# Altium PCB Steam_dev_kit_revised.PcbDoc (part 3 of 3) (continued)
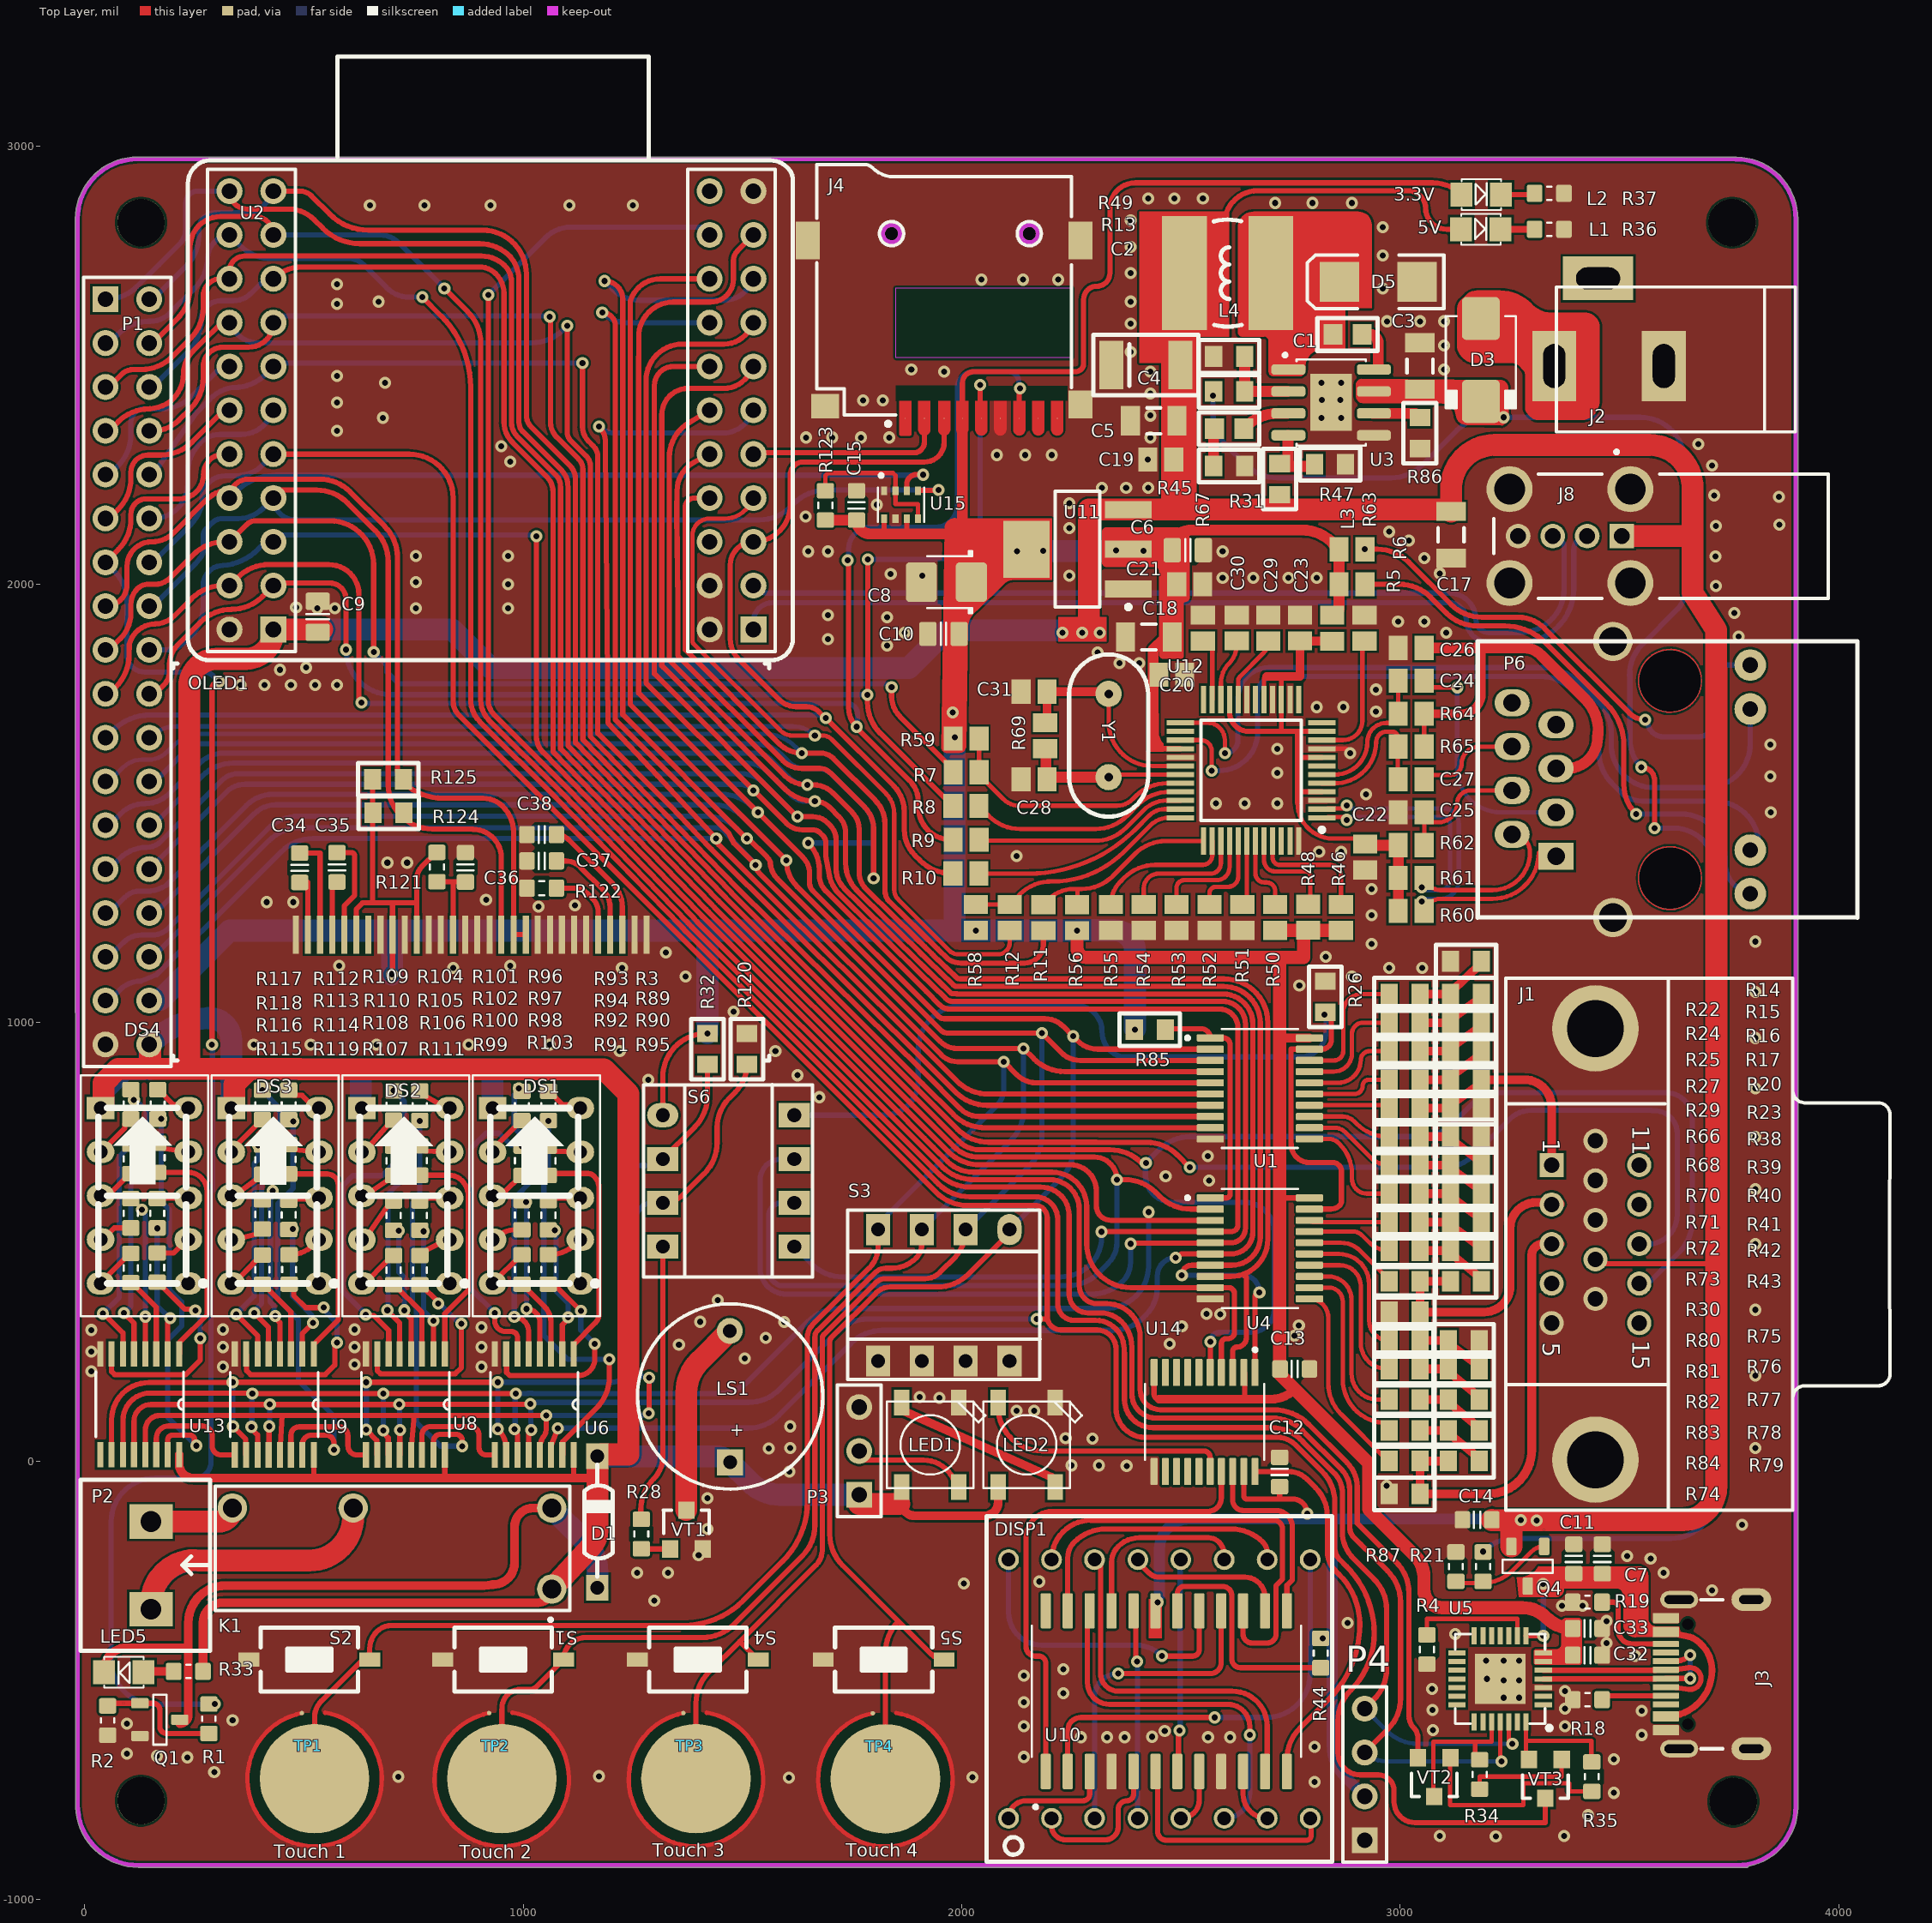
[diagram p0: Top Layer view]
## Nets (pads, with @x,y where several pads share a name; then routed paths per layer and width w, separated by ;. In a path a pad name is that pad's centre, name@x,y a point inside that pad or via, vN(x,y) a via of type N, cw(c..) or ccw(c..) an arc to the next point about the centre after c; other vN are vias at no path point) (continued)
  Bottom Layer w12: v1(935,338) 879,394 879,711.65 915.35,748 944.65,748 971.21,721.44 994.02,721.44 v1(997,718.46)
NetR95_2: R95.2 U6.7 | length 488.8
  Top Layer w12: U6.7@961,244 962,243 962,202.03 969.03,195 1125,195 ccw(c1125,233.04) 1140.07,198.11 ccw(c1125,233.04) 1163.04,233.04 v1(1163.04,267.04) ; R95.2@1057,403.54 cw(c1057,371.61) 1059.03,403.47 cw(c1057,371.61) 1079.58,394.18 v1(1131.18,342.58)
  Bottom Layer w12: v1(1131.18,342.58) 1131.18,298.91 v1(1163.04,267.04)
NetR96_2: R96.2 U8.15 | length 953.3
  Top Layer w12: v1(764,776.09) R96.2@764,777.07 ; U8.15@795,14 795,45 cw(c811,45) 811,61 846,61 cw(c846,46) 861,46 v1(861,34)
  Bottom Layer w12: v1(764,776.09) 764,605.28 747,588.28 747,360.97 756,351.97 756,89 811,34 v1(861,34)
NetR97_2: R97.2 U8.1 | length 521.1
  Top Layer w12: R97.2@764,652.07 830.76,652.07 830.83,652.07 cw(c830.81,611.31) 859.61,640.15 cw(c823.74,604.24) 874.5,604.24 ; U8.1@821,244 821,336.35 874.5,389.84 874.5,604.19
NetR98_2: R98.2 U8.2 | length 299.2
  Top Layer w12: U8.2@795,244 v1(795,319.94)
  Bottom Layer w12: v1@764,526.54 770.46,526.54 v1(773,524) 773,341.94 v1(795,319.94)
NetR99_2: R99.2 U8.3 | length 186.1
  Top Layer w12: R99.2@704,402 705.97,402 769,338.97 U8.3@769,244
NetR100_2: R100.2 U8.4 | length 293
  Top Layer w12: v1(728.96,343.96) 728.96,339.75 744,324.71 U8.4@744,244
  Bottom Layer w12: v1(716.28,525.55) 716.28,431.17 728.96,418.48 v1(728.96,343.96)
NetR101_2: R101.2 U8.5 | length 639.4
  Top Layer w12: v1(690,344) 690,343 718,315 U8.5@718,244
  Bottom Layer w12: v1(690,344) 691.5,345.5 691.5,608.9 728.78,646.18 728.78,820.67 v1(704,845.45)
NetR102_2: R102.2 U8.6 | length 614.7
  Top Layer w12: v1(641,334) 643.47,331.53 659.47,331.53 693,298 U8.6@693,244
  Bottom Layer w12: v1(641,334) 589,386 589,629 611,651 677.87,651 704,677.13 v1(704,719.45)
NetR103_2: R103.2 U8.7 | length 472.1
  Top Layer w12: U8.7@667,244 667,206.03 674.03,199 845,199 859,213 v1(859,313) ; R103.2@764.3,401.92 766.27,401.92 806,362.19 v1(806,359)
  Bottom Layer w12: v1(806,359) 809.5,359 855.5,313 v1(859,313)
NetR104_2: R104.2 U9.15 | length 949.9
  Top Layer w12: U9.15@496,14 496,38 cw(c517,38) 517,59 550.39,59 cw(c550.39,41.39) 568,41.39 v1(568,26)
  Bottom Layer w12: v1(475,775) 475,622 440,587 440,370 487,323 487,184 568,103 v1(568,26)
NetR105_2: R105.2 U9.1 | length 536.2
  Top Layer w12: R105.2@465,655 552.34,655 cw(c552.34,629.34) 570.47,647.5 ; U9.1@522,244 522,266 578,322 578,629.34 ccw(c552.34,629.34) 570.49,647.49
NetR106_2: R106.2 U9.2 | length 314
  Top Layer w12: U9.2@496,244 496,291 v1(520,315)
  Bottom Layer w12: v1(474,529) 474,376 517.03,332.97 517.03,317.97 v1(520,315)
NetR107_2: R107.2 U9.3 | length 187.1
  Top Layer w12: R107.2@405,403.07 406.97,403.07 470,340.04 U9.3@470,244
NetR108_2: R108.2 U9.4 | length 383.8
  Top Layer w12: v1(434,331.06) 434,326.85 445,315.85 U9.4@445,244
  Bottom Layer w12: v1(428.08,616.61) 428.08,612.4 423,607.32 423,362.96 431.02,354.94 431.02,334.03 v1(434,331.06)
NetR109_2: R109.2 U9.5 | length 654.7
  Top Layer w12: v1(386,338) 419,305 U9.5@419,244
  Bottom Layer w12: v1(386,338) 386,342.21 403.3,359.51 403.3,658.3 443.86,698.86 443.86,806.07 v1@405,844.93
  other v1: 405,846
NetR110_2: R110.2 U9.6 | length 517
  Top Layer w12: v1(345,335) 394,286 U9.6@394,244
  Bottom Layer w12: v1(345,335) 386.3,376.3 386.3,678.3 395,687 v1(395,720)
NetR111_2: R111.2 U9.7 | length 508.3
  Top Layer w12: U9.7@368,244 369,243 369,206 378,197 548.5,197 570,218.5 570,265 v1(575,270) ; R111.2@466,403.54 476.36,393.17 476.36,377.64 504,350 v1(545,350)
  Bottom Layer w12: v1(545,350) 545,345 575,315 v1(575,270)
NetR112_2: R112.2 U13.15 | length 927.9
  Top Layer w12: U13.15@189,14.3 189,48 cw(c200,48) 200,59 240,59 cw(c240,49) 250,49 250,39 ccw(c254,39) v1(254,35)
  Bottom Layer w12: v1(174,780.3) 174,592.87 192.56,574.31 192.56,391.09 221,362.65 221,308.3 189,276.3 189,100 v1(254,35)
NetR113_2: R113.2 U13.1 | length 534.6
  Top Layer w12: R113.2@166,658.37 236.51,658.37 cw(c236.51,617.04) 265.73,646.27 cw(c234.92,615.46) 278.5,615.46 278.5,332.8 216,270.3 216,245.3 U13.1@215,244.3
NetR114_2: R114.2 U13.2 | length 302.6
  Top Layer w12: U13.2@189,244.3 189,316.09 195,322.09 v1(195,326.3)
  Bottom Layer w12: v1(165,530.85) 165,354.3 193,326.3 v1(195,326.3)
NetR115_2: R115.2 U13.3 | length 187.7
  Top Layer w12: R115.2@105,406.83 106.97,406.83 163,350.8 U13.3@163,244.3
NetR116_2: R116.2 U13.4 | length 332.7
  Top Layer w12: U13.4@138,244.3 v1(138,329.3)
  Bottom Layer w12: v1(129.78,573.64) 129.78,569.43 138,561.21 v1(138,329.3)
NetR117_2: R117.2 U13.5 | length 623.5
  Top Layer w12: v1(89,337.3) 112,314.3 U13.5@112,244.3
  Bottom Layer w12: v1(89,337.3) 105,353.3 105,670.65 140,705.65 140,798.57 114.57,824 v1(112,824)
NetR118_2: R118.2 U13.6 | length 526.2
  Top Layer w12: v1(41,336.3) 43,336.3 87,292.3 U13.6@87,244.3
  Bottom Layer w12: v1(41,336.3) 78.5,373.8 78.5,694.71 105,721.21 v1(105,723.75)
NetR119_2: R119.2 U13.7 | length 468.4
  Top Layer w12: U13.7@61,222.3 61,204.03 68.03,197 230,197 263,230 263,242.52 v1(263,280.3) ; R119.2@165,407.83 166.97,407.83 228.53,346.28 249.02,346.28 v1(252,343.3)
  Bottom Layer w12: v1(252,343.3) 252,339.09 263,328.09 263,318.08 v1(263,280.3)
NetR123_1: R123.1 U15.2 U15.5 | length 348.7
  Top Layer w10: R123.1@1689,2213.46 1689,2248.14 1694.86,2254 1842.96,2254 1848.82,2248.14 U15.2@1848.82,2212.99 1848.82,2183 1900,2183 U15.5@1900,2150
PMODE0: R46.1 U12.45 | length 283.1
  Top Layer w10: U12.45@2709.21,1414.36 2709.21,1375.79 ccw(c2725,1375.79) 2725,1360 2840,1360 cw(c2840,1335) 2865,1335 R46.1@2865,1269.53
PMODE1: R48.1 U12.44 | length 237.5
  Top Layer w10: U12.44@2689.53,1414.36 2689.53,1370.47 ccw(c2715,1370.47) 2715,1345 2785,1345 cw(c2785,1335) 2795,1335 2795,1275 cw(c2790,1275) R48.1@2790,1270
PMODE2: R50.1 U12.43 | length 172.8
  Top Layer w10: U12.43@2669.84,1414.36 2670,1414.36 2670,1340 ccw(c2690,1340) 2690,1320 2695,1320 cw(c2695,1300) 2715,1300 R50.1@2715,1269.53
R1: DISP1.9 U10.2 | length 980.5
  Top Layer w12: U10.2@2241.75,-708.27 2241.75,-615 cw(c2271.75,-615) 2271.75,-585 v1(2576.75,-585)
  Bottom Layer w12: v1(2576.75,-585) 2694.75,-585 ccw(c2694.75,-485) 2794.75,-485 DISP1.9@2794.75,-225
R2: DISP1.14 U10.11 | length 822.6
  Top Layer w12: DISP1.14@2302.75,-225 cw(c2302.75,-239) 2316.75,-239 2316.75,-485 ccw(c2356.75,-485) 2356.75,-525 2616.75,-525 cw(c2616.75,-605) 2696.75,-605 2696.75,-703.27 cw(c2691.75,-703.27) U10.11@2691.75,-708.27
R3: DISP1.8 U10.6 | length 547.9
  Top Layer w12: U10.6@2441.75,-708.27 cw(c2441.75,-713.27) 2446.75,-713.27 2446.75,-845 ccw(c2466.75,-845) 2466.75,-865 2786.75,-865 ccw(c2786.75,-855) 2796.75,-855 2796.75,-817 ccw(c2794.75,-817) DISP1.8@2794.75,-815
R4: DISP1.12 U10.7 | length 486.6
  Top Layer w12: U10.7@2491.75,-708.27 2494.25,-705.77 2494.25,-617.5 v1(2496.75,-615)
  Bottom Layer w12: v1(2496.75,-615) 2498.25,-613.5 2498.25,-226.5 DISP1.12@2499.75,-225
R5: DISP1.1 U10.3 | length 268.1
  Top Layer w12: DISP1.1@2106.75,-815 cw(c2146.75,-815) 2146.75,-775 2276.75,-775 ccw(c2276.75,-760) 2291.75,-760 U10.3@2291.75,-708.27
R6: DISP1.7 U10.10 | length 138.1
  Top Layer w12: U10.10@2641.75,-708.27 2641.75,-760 ccw(c2696.75,-760) DISP1.7@2696.75,-815
R7: DISP1.2 U10.5 | length 350.5
  Top Layer w12: DISP1.2@2204.75,-815 2204.75,-832.04 ccw(c2236.71,-832.04) 2236.71,-864 2327.75,-864 ccw(c2327.75,-835) 2356.75,-835 2356.75,-795 cw(c2376.75,-795) 2376.75,-775 ccw(c2376.75,-760) 2391.75,-760 U10.5@2391.75,-708.27
R8: DISP1.5 U10.8 | length 130.7
  Top Layer w12: DISP1.5@2499.75,-815 ccw(c2499.75,-773) 2541.75,-773 U10.8@2541.75,-708.27
RCT: C26.2 P6.5 R64.1 R65.2 | length 956.2
  Top Layer w10: R65.2@3054.53,1630 R64.1@3054.53,1705
  Top Layer w20: R64.1@3054.53,1705 3140,1705 ccw(c3140,1750) 3185,1750 3185,1855
  Top Layer w25: C26.2@3054.53,1855 3185,1855 3282.69,1855 cw(c3282.69,1801.13) 3320.75,1839.25 3422.53,1737.47 cw(c3352.25,1667.35) 3450,1650 cw(c3379.76,1650) P6.5@3379.76,1579.76
RD_N: C27.1 P6.6 | length 258.5
  Top Layer w10: C27.1@3053.4,1565.32 3115.32,1565.32 ccw(c3115.32,1590) 3140,1590 cw(c3179.76,1590) 3179.76,1629.76 P6.6@3275.08,1629.76
RD_P: C24.1 P6.3 | length 569.1
  Top Layer w10: C24.1@3054.53,1780 3069.53,1765 v1(3130,1765)
  Bottom Layer w10: v1(3130,1765) 3130,1579.76 ccw(c3230,1579.76) 3230,1479.76 P6.3@3375.08,1479.76
RELAY_IN_1: K1.4 P2.1 | length 406.2
  Top Layer w50: P2.1@151,-138 305.41,-138 ccw(c305.41,-107) K1.4@336.41,-107
  Bottom Layer w50: P2.1@151,-138 305.41,-138 ccw(c305.41,-107) K1.4@336.41,-107
RELAY_OUT_1: K1.3 P2.2 | length 1204.3
  Top Layer w50: P2.2@151,-338 151,-326 cw(c251,-326) 251,-226 ; 260,-227 512,-227 ccw(c512,-127) 612,-127 K1.3@612,-107
  Bottom Layer w50: P2.2@151,-338 151,-326.85 cw(c251,-326.85) 251,-226.85 512,-226.85 ccw(c512,-126.85) 612,-126.85 K1.3@612,-107
RESET: U2.20 VT2.2 | length 5110.1
  Top Layer w12: v1(920,2660) 920,1735.41 ccw(c967.25,1735.41) 933.83,1702.01 1099.9,1535.94 1388.95,1238.46 1395.45,1231.55 1396.48,1230.47 1872.48,754.48 1955.66,671.29 ccw(c2026.38,742) 2019.17,642.26 ccw(c2026.38,742) 2026.38,642 2200,642 cw(c2200,574) 2268,574 2268,399.8 ccw(c2308.8,399.8) 2296.18,361 ccw(c2308.8,399.8) 2308.8,359 2331.04,359 cw(c2331.04,283.04) 2407,283.04 2407,163.15 ccw(c2453.15,163.15) 2453.15,117 2710.56,117 cw(c2710.56,2.47) 2791.57,83.43 2879.37,-4.37 ; 2879.39,-4.39 cw(c2824.75,-59) 2902,-59 2902,-141.89 2990.71,-230.6 cw(c2920,-301.31) 3020,-301.31 3020,-581.03 ccw(c3060.97,-581.03) 3032,-610 cw(c3012.25,-629.75) 3040.18,-629.75 VT2.2@3040.18,-676.87
  Bottom Layer w12: v1(920,2660) 1050.96,2790.96 ; 1050.99,2790.99 cw(c1109,2732.92) 1109,2815 U2.20@1425,2815
RGB_LED: LED2.4-DIN U14.16 | length 593.9
  Top Layer w12: LED2.4-DIN@2083.04,133.46 2083.04,123 ccw(c2183.04,123) 2183.04,23 2552,23 cw(c2552,8.41) 2566.59,8.41 U14.16@2566.59,-23.98 ; LED2.4-DIN@2083.04,136.46 LED2.4-DIN@2084.54,134.96
RTS: R34.1 U5.24 VT2.3 | length 352.7
  Top Layer w10: VT2.3@3076,-764.29 3076,-640 3171,-640 ; R34.1@3181,-681.54 3171,-681.54 3171,-640 ; U5.24@3208.31,-595.43 3208.31,-640 3171,-640
RXD_N: C27.2 R65.1 U12.5 | length 334.1
  Top Layer w10: U12.5@2821.42,1546.25 2821.42,1545.94 2850.94,1545.94 ccw(c2850.94,1640) 2858.64,1546.25 ccw(c2850.94,1640) 2945,1640 cw(c2968.87,1640) 2968.87,1663.87 2981.04,1663.87 cw(c2981.04,1650.09) 2994.82,1650.09 2994.82,1635.32 2994.35,1635.32 C27.2@2994.35,1565.32
RXD_P: C24.2 R64.2 U12.6 | length 330.7
  Top Layer w10: U12.6@2821.42,1565.94 2850.94,1565.94 ccw(c2850.94,1640) 2925,1640 cw(c2968.87,1640) 2935,1667.88 cw(c2968.87,1640) 2968.87,1683.87 2981.04,1683.87 ccw(c2981.04,1697.17) 2994.35,1697.17 R64.2@2994.35,1705 ; R64.2@2995.47,1705 C24.2@2995.47,1780
SPI-MISO: R9.2 U12.34 | length 475.8
  Top Layer w10: R9.2@2053.31,1415 2303.58,1415 ccw(c2303.58,1515) 2346.85,1424.84 ccw(c2303.58,1515) 2374.29,1444.29 2415,1485 cw(c2467.83,1432.17) 2467.83,1506.88 U12.34@2498.58,1506.88
SPI-MOSI: R10.2 U12.35 | length 503.7
  Top Layer w10: R10.2@2039.06,1340.56 ccw(c2040.41,1341.92) 2040.41,1340 2152.17,1340 ; 2152.22,1340 ccw(c2152.22,1684.71) 2395.98,1440.98 2427.5,1472.5 cw(c2462.99,1437.01) 2462.99,1487.2 U12.35@2498.58,1487.2
SPI-SCLK: R8.2 U12.33 | length 503.4
  Top Layer w10: R8.2@2039.06,1494.44 2062.27,1471.23 ccw(c2132.98,1541.94) 2132.98,1441.94 2305.52,1441.94 ccw(c2305.52,1541.94) 2376.23,1471.23 2402.28,1497.28 cw(c2472.99,1426.57) 2472.99,1526.57 U12.33@2498.58,1526.57
SPK: R28.1 S6.4 | length 636.1
  Top Layer w12: R28.1@1269.12,-133 cw(c1269.12,-131.41) 1268,-132.54 1268,-111.42 cw(c1368,-111.42) 1297.29,-40.71 ccw(c1247.29,9.29) 1318,9.29 S6.4@1318,489
TCT: C25.1 P6.4 R62.2 | length 337.1
  Top Layer w10: C25.1@3054.06,1495 cw(c3054.06,1494.06) 3055,1494.06 C25.1@3055,1457.03 ; R62.2@3055,1420 C25.1@3055,1457.03 ; P6.4@3275.08,1529.76 3159.76,1529.76 ccw(c3159.76,1500) 3130,1500 cw(c3087.03,1500) 3087.03,1457.03 C25.1@3055,1457.03
TD_N: P6.2 R61.2 U12.1 | length 884.6
  Top Layer w10: U12.1@2835,1469 2871.72,1469 cw(c2871.72,1462.72) v1(2878,1462.72) ; v1(3049,1308.78) ccw(c3049,1314.31) 3054.53,1314.31 R61.2@3054.53,1330 ; R61.2@3059.42,1319.2 3065.32,1313.3 ccw(c3091.39,1339.36) 3091.39,1302.5 3210.5,1302.5 ccw(c3210.5,1388) 3296,1388 3296,1389.16 ccw(c3255.39,1389.16) P6.2@3255.39,1429.76
  Bottom Layer w10: v1(2878,1462.72) cw(c2884.28,1462.72) 2884.28,1469 3098.47,1469 cw(c3098.47,1453.73) 3113.74,1453.73 3113.74,1324.85 cw(c3091.39,1324.85) 3091.39,1302.5 3055.28,1302.5 cw(c3055.28,1308.78) v1(3049,1308.78)
TD_P: P6.1 R60.2 U12.2 | length 958
  Top Layer w10: U12.2@2835,1489 2871.72,1489 ccw(c2871.72,1495.28) v1(2878,1495.28) ; v1(3049,1276.22) cw(c3049,1270.69) 3054.53,1270.69 R60.2@3054.53,1255 ; R60.2@3059.42,1265.8 3065.32,1271.7 cw(c3091.39,1245.64) 3091.39,1282.5 3210.5,1282.5 ccw(c3210.5,1388) 3316,1388 ccw(c3324.24,1388) 3324.24,1379.76 P6.1@3355.39,1379.76
  Bottom Layer w10: v1(2878,1495.28) ccw(c2884.28,1495.28) 2884.28,1489 3098.47,1489 cw(c3098.47,1453.73) 3133.74,1453.73 3133.74,1324.85 cw(c3091.39,1324.85) 3091.39,1282.5 3055.28,1282.5 ccw(c3055.28,1276.22) v1(3049,1276.22)
VBUS: C7.2 C11.2 J3.A4/B9 J3.A9/B4 Q4.3 U5.8 | length 461.7
  Top Layer w12: U5.8@3287.05,-398.58 v1(3326.43,-398.57)
  Top Layer w15: J3.A4/B9@3606,-582.68 ccw(c3606,-477.35) 3711.33,-477.35 ccw(c3627.88,-477.35) 3667.63,-403.97 ; J3.A9/B4@3621.76,-389.76 3628.03,-394.07 3660.36,-400.84 3666.37,-403.37 cw(c3660.55,-417.2) 3667.61,-403.96
  Bottom Layer w12: v1(3326,-280) cw(c3324.97,-281.03) 3326.43,-281.03 v1(3326.43,-398.57)
VCC-1V2: C30.1 U12.22 | length 143.2
  Top Layer w10: U12.22@2591.1,1737.2 2591.1,1774.38 cw(c2655.62,1774.38) 2610,1820 ccw(c2568.71,1861.29) 2627.1,1861.29 C30.1@2627.1,1870.74
VGA_B0: R80.2 U4.15 | length 330
  Top Layer w10: U4.15@2793,472.36 2860.5,472.36 cw(c2860.5,403.86) 2929,403.86 2929,320.57 ccw(c2974.57,320.57) R80.2@2974.57,275
VGA_B1: R81.2 U4.14 | length 372.3
  Top Layer w10: U4.14@2793,446.77 2862.62,446.77 cw(c2862.62,399.39) 2910,399.39 2910,269.61 ccw(c2969.46,269.61) R81.2@2974.54,210.36
VGA_B2: R82.2 U4.13 | length 414.2
  Top Layer w10: U4.13@2793,421.18 2835.82,421.18 cw(c2835.82,368) 2889,368 2889,200 ccw(c2949,200) 2949,140 R82.2@2974.57,140
VGA_B3: R83.2 U4.12 | length 441.9
  Top Layer w10: U4.12@2793,395.59 2837.41,395.59 cw(c2837.41,364) 2869,364 2869,186.54 2869,186.48 ccw(c2968.56,186.48) 2959.88,87.3 R83.2@2974.57,70
VGA_B4: R84.2 U4.11 | length 448.9
  Top Layer w10: U4.11@2793,370 cw(c2793,327) 2836,327 2836,177.42 ccw(c2936,177.42) 2865.29,106.71 2970.18,1.82 ccw(c2974.57,6.2) R84.2@2974.57,0
VGA_BLUE: J1.3 R74.1 R79.1 R84.1 | length 975.1
  Top Layer w20: R79.1@3109.57,0 R84.1@3045.43,0 R74.1@3045.43,-75 3200,-75 ccw(c3200,25) 3300,25 3300,470 cw(c3325,470) 3325,495 J1.3@3365,495
VGA_G0: R66.2 U1.13 | length 194.7
  Top Layer w10: U1.13@2792.99,786.02 2868.39,786.02 cw(c2868.39,748.39) 2895,775 2900.71,769.29 ccw(c2971.42,840) 2923.35,752.31 ccw(c2971.42,840) 2971.42,740 R66.2@2974.57,740
VGA_G1: R68.2 U1.12 | length 212.9
  Top Layer w10: U1.12@2792.99,760.43 2849.81,760.43 cw(c2849.81,724.81) 2875,750 2932.63,692.37 ccw(c2974.57,734.31) R68.2@2974.57,675
VGA_G2: R70.2 U1.11 | length 262.8
  Top Layer w10: U1.11@2792.99,734.84 2836.24,734.84 cw(c2836.24,701.24) 2860,725 2861.72,723.28 cw(c2793.43,655) 2877.52,702.48 cw(c2793.43,655) 2890,655 2890,644.14 ccw(c2924.14,644.14) 2900,620 ccw(c2924.14,644.14) 2924.14,610 R70.2@2974.57,610
VGA_G3: R71.2 U4.18 | length 182.7
  Top Layer w10: U4.18@2793,549.13 ccw(c2802.98,559.11) 2802.98,545 R71.2@2974.57,545
VGA_G4: R72.2 U4.17 | length 195.6
  Top Layer w10: U4.17@2793,523.54 2892.37,523.54 cw(c2892.37,494.37) 2913,515 2929.21,498.79 ccw(c2974.57,544.14) 2953.18,483.67 ccw(c2974.57,544.14) R72.2@2974.57,480
VGA_G5: R73.2 U4.16 | length 217.6
  Top Layer w10: U4.16@2793,497.95 2864.37,497.95 2864.45,497.95 cw(c2864.42,434.86) 2909.02,479.48 2909.07,479.43 2959.88,428.62 2974.57,413.94 R73.2@2974.57,410
VGA_GREEN: J1.2 R30.1 R43.1 R73.1 | length 660.7
  Top Layer w19.68: R43.1@3114.57,410 R73.1@3045.43,410 R30.1@3045.43,340 3191.72,340 ccw(c3191.72,398.99) 3250.71,398.99 3250.71,530.71 cw(c3310,530.71) 3310,590 3360.16,590 cw(c3360.16,585.16) J1.2@3365,585.16
VGA_R0: R22.2 U1.18 | length 305.9
  Top Layer w10: U1.18@2792.99,913.98 2848.98,913.98 ccw(c2848.98,935) 2870,935 2870,1023.79 cw(c2911.21,1023.79) 2911.21,1065 R22.2@2974.57,1065
VGA_R1: R24.2 U1.17 | length 264.6
  Top Layer w10: U1.17@2792.99,888.39 2848.39,888.39 ccw(c2848.39,930) 2890,930 2890,975 cw(c2915,975) 2915,1000 R24.2@2974.57,1000
VGA_R2: R25.2 U1.16 | length 222.8
  Top Layer w10: U1.16@2792.99,862.8 2857.8,862.8 ccw(c2857.8,915) 2910,915 cw(c2930,915) 2930,935 R25.2@2974.57,935
VGA_R3: R27.2 U1.15 | length 200.3
  Top Layer w10: U1.15@2792.99,837.2 2895.92,837.2 ccw(c2895.92,855.44) 2914.15,855.44 cw(c2928.71,855.44) 2928.71,870 R27.2@2974.57,870
VGA_R4: R29.2 U1.14 | length 185.4
  Top Layer w10: U1.14@2792.99,811.61 2967.95,811.61 cw(c2967.95,805) R29.2@2974.57,805
VGA_RED: J1.1 R20.1 R23.1 R29.1 | length 494.4
  Top Layer w19.68: R29.1@3045.43,805 R23.1@3114.57,805 3124.41,818.78 3175.59,856.22 R20.1@3185.43,870 3283.31,870 cw(c3283.31,808) 3329.68,849.16 cw(c3283.31,808) 3345.31,808 J1.1@3345.31,675.32
VIN: C3.2 D3.K R13.1 R21.1 U3.7 | length 4439
  Top Layer w12: v1@3236,2376 v1(3236,2381) ; v2(3550,1583) cw(c3550,1553) 3580,1553 v2(3580,1444)
  Bottom Layer w12: v1(2573,2430) 2573,2389.42 ccw(c2673,2389.42) 2602.29,2318.71 2648.71,2272.29 ccw(c2719.42,2343) 2719.42,2243 2979.58,2243 ccw(c2979.58,2343) 3050.29,2272.29 3129.71,2351.71 cw(c3200.42,2281) 3200.42,2381 v1(3236,2381) 3548,2381 cw(c3548,2281) 3634.04,2331.96 cw(c3548,2281) 3648,2281 3648,1980.24 cw(c3596.72,1980.24) 3647.7,1974.69 cw(c3596.72,1980.24) 3632.98,1943.98 3552.07,1863.07 ccw(c3622.78,1792.36) 3522.78,1792.36 ; v1@3188.94,-197.06 v1(3188.94,-206.49) 3189.65,-205.78 cw(c3260.36,-276.49) 3201.86,-195.39 cw(c3260.36,-276.49) 3260.36,-176.49 3618,-176.49 ccw(c3618,-76.49) 3718,-76.49 3718,1349 ccw(c3623,1349) 3623,1444 v2(3580,1444) ; 3524,1801 3524,1645.77 ccw(c3612.77,1645.77) v2(3550,1583)
XI: C31.2 R69.1 U12.30 Y1.1 | length 488
  Top Layer w10: Y1.1@2335,1750 2335,1685.62 ccw(c2435,1685.62) 2435,1585.62 U12.30@2484.69,1585.62
  Top Layer w20: R69.1@2190,1684.06 ccw(c2190,1688.58) 2194.53,1688.58 C31.2@2194.53,1755 2330,1755 cw(c2330,1750) Y1.1@2335,1750
XO: C28.2 R69.2 U12.31 Y1.2 | length 378.1
  Top Layer w10: Y1.2@2335,1560 cw(c2349.34,1545.66) 2349.34,1565.94 U12.31@2498.58,1565.94
  Top Layer w25: R69.2@2190,1625 2192.26,1622.74 2192.26,1557.26 cw(c2195,1557.26) 2195,1560 Y1.2@2335,1560
pads on no net: C6.0 C7.0 C8.0 C9.0 C10.0 C11.0 C12.0 C13.0 C14.0 C15.0 C32.0 C33.0 C34.0 C35.0 C36.0 C37.0 C38.0 D3.0 DS1.6 DS2.6 DS3.6 DS4.6 J1.4 J1.11 J1.12 J1.15 J2.3 J3. J4.0 J4.1 J4.8 J4.9 OLED1.7 P6.7 P6.8 Q1.0 Q4.0 R1.0 R2.0 R3.0 R4.0 R18.0 R19.0 R21.0 R28.0 R33.0 R34.0 R35.0 R36.0 R37.0 R44.0 R87.0 R89.0 R90.0 R91.0 R92.0 R93.0 R94.0 R95.0 R96.0 R97.0 R98.0 R99.0 R100.0 R101.0 R102.0 R103.0 R104.0 R105.0 R106.0 R107.0 R108.0 R109.0 R110.0 R111.0 R112.0 R113.0 R114.0 R115.0 R116.0 R117.0 R118.0 R119.0 R121.0 R122.0 R123.0 U2.6 U2.22 U5.1 U5.2 U5.10 U5.11 U5.12 U5.13 U5.14 U5.15 U5.16 U5.17 U5.18 U5.19 U5.20 U5.21 U5.22 U5.23 U5.27 U10.24 U12.7 U12.12 U12.13 U12.18 U12.24 U12.26 U12.46 U12.47 U13.9 U14.6 U14.7 U14.8 U14.9 U14.12 U14.13 U14.14 U14.15
copper on no net:
  other v3: 3615.39,1329.76 3615.39,1779.76

## Polygon pours and split planes (outlines as drawn)
GND on Top Layer "Bottom Layer-No Net" (solid, remove dead copper, pour order 0): -63.07,3041.38 12.81,2965.5 3921.68,2965.5 3921.68,-927 -40,-927
GND on Bottom Layer "Bottom Layer-No Net" (solid, remove dead copper, pour order 1): -28.65,2978.38 620.85,2978.38 3915.85,2978.38 3915.85,-927 -40,-927

## Keep-outs
Keep-Out Layer:
  lines w10: -16.45,-788.55 -16.45,2833.55 cw(c120,2833.55) 120,2970 3765.55,2970 ; -16.45,-783.55 ccw(c121.9,-783.55) 121.9,-921.9 ; 123.75,-922 3790,-922 ; 3765.55,2969.6 cw(c3765.55,2833.15) 3902,2833.15 ; 3768.15,-921.9 ccw(c3768.15,-788.04) 3902.01,-788.04 ; 3902.32,-788.04 3902.32,2830.11

## Other copper
Top Layer:
  rectangle net 5V: 2426.75,-405 2456.75,-315
  region net VBUS: 3636,-377.71 3583.65,-377.21 cw(c3584.15,-358.71) 3565.65,-358.21 3565.65,-261.21 ccw(c3544.91,-261.21) 3544.9,-240.46 3316.12,-239.88 cw(c3270.81,-212.03) 3266,-265 3271,-310 3356,-310 ccw(c3356.06,-292.28) 3373.67,-290.33 3489.58,-290.33 cw(c3491.52,-307.7) 3509,-307.71 3509,-378.29 ccw(c3536.89,-373.54) 3542.65,-401.24 3634.68,-401.24 ccw(c3632.1,-393.88) 3639.46,-391.3
  region net 3.3V: 3367.94,-415.44 cw(c3354.87,-416.58) 3356,-429.66 3309.49,-429.66 ccw(c3309.48,-434.65) 3304.49,-434.65 3304.49,-459.66 ccw(c3309.49,-459.66) 3309.49,-464.66 3409.49,-464.66 ccw(c3409.49,-459.66) 3414.49,-459.66 3414.49,-366.72 ccw(c3406.73,-366.14) 3407.31,-358.38 3378,-358 ccw(c3377.99,-366.99) 3369,-367
  region net 3.3V: 2205.87,2149.96 2205.87,2010.04 2119.24,2010.04 ccw(c2119.23,1975.79) 2095,2000 2036.55,1941.55 ccw(c2066.96,1897.07) 2014,1907 2010,1628.63 cw(c1995.07,1630.69) 1993,1615.76 1964.39,1615.76 cw(c1964.37,1626.31) 1953.82,1626.33 1961,2129 cw(c1984.45,2127.56) 1986,2151
  region net VIN: 3247.11,2385.57 cw(c3227.53,2381.69) 3244.11,2370.57 cw(c3227.05,2382.45) 3230.7,2361.98 3154.11,2363.57 cw(c3151.61,2388.07) 3127.11,2385.57 ccw(c3098.19,2383.51) 3096.11,2412.44 2914.11,2413.57 cw(c2914.95,2429.4) 2899.11,2430.24 2899.11,2453.57 cw(c2913.19,2454.49) 2912.27,2468.57 3229.11,2466.57 cw(c3228.15,2448.6) 3246.11,2447.57
  region net 3.3V: 2424.11,1705.74 2424.11,1625.56 ccw(c2430.94,1625.56) 2426.11,1620.74 ccw(c2430.94,1625.56) 2430.94,1618.74 2460.11,1618.74 2460.11,1635.32 ccw(c2456.7,1635.32) 2459.11,1637.74 cw(c2483.25,1661.88) 2449.11,1661.88 2449.11,1705.74
  region net 3.3V: 2320,2120 cw(c2330,2120) 2330,2130 2490,2130 cw(c2490,2100) 2520,2100 2520,1970 cw(c2510,1970) 2510,1960 ccw(c2510,1955.59) 2505.59,1955.59 2505.59,1835.59 cw(c2500,1835.59) 2500,1830 2460,1830 cw(c2460,1840) 2450,1840 2450,2030 ccw(c2440,2030) 2440,2040 2330,2040 cw(c2330,2050) 2320,2050
  region net NetC1_2: 2700,2555 ccw(c2690.01,2555) 2690,2565 2640,2565 cw(c2639.99,2574.99) 2630,2575 2630,2815 cw(c2665,2815) 2665,2850 2905,2850 cw(c2905.14,2820.14) 2935,2820.13 2935,2630 2880,2630 ccw(c2880,2625) 2875,2625 2875,2535 2818.06,2535 ccw(c2822.3,2496.68) 2783.94,2492.87 cw(c2762.45,2492.52) 2774.89,2475 2710.08,2475 cw(c2710,2485) 2700,2485
  region net NetD3_A: 3140,2650 ccw(c3159.14,2627.93) 3130,2630 3130,2540 ccw(c3167.52,2545.67) 3145,2515.13 ccw(c3170.77,2542.75) 3172.07,2505 3255,2505 cw(c3255,2480.87) 3272.07,2497.93 3280,2490 cw(c3257.89,2473.77) 3285,2469.61 3285,2400 ccw(c3316.64,2408.11) 3300,2380 ccw(c3312.07,2392.07) 3312.07,2375 3415.86,2375 ccw(c3415.86,2409.14) 3440,2385 ccw(c3403.79,2421.21) 3455,2421.21 3455,2585.86 ccw(c3420.87,2585.86) 3445,2610 ccw(c3420.87,2585.87) 3420.86,2620 3345,2620 cw(c3345,2680.35) 3302.32,2637.68 3299.29,2640.71 ccw(c3228.59,2570.02) 3228.58,2670 3174.14,2670 ccw(c3174.14,2635.87) 3150,2660
  region net 5V: 2220,1925 2220,1870 2330,1870 2330,1925
  region net 5V: 2610,2850 2610,2565 2535,2565 2535,2150 2455,2150 2455,2505 2405,2505 2405,2850
Bottom Layer:
  rectangle net 5V: 3261,-148 3319,-122
  region net 5V: 2220,1925 2220,1870 2330,1870 2330,1925

## Silkscreen, mask and mechanical layers (free items; w line width, h text height)
Top Overlay:
  text "3.3V" at 2985,2875 h30
  text "5V" at 3040,2800 h30
  text "Touch 3" at 1294,-903 h30
  text "Touch 4" at 1735,-903 h30
  text "Touch 1" at 431,-906 h30
  text "Touch 2" at 854,-907 h30
Bottom Overlay:
  lines w10: 510,930 515,1860 ; 780,1935 780,2685
  text "G2" at 605,2612.5 h40
  text "G1" at 765,2610 h40
  text "G44" at 605,2520 h40
  text "G43" at 765,2520 h40
  text "G41" at 605,2430 h40
  text "G42" at 765,2425 h40
  text "G40" at 765,2335 h40
  text "G39" at 605,2325 h40
  text "G38" at 765,2230 h40
  text "G37" at 605,2220 h40
  text "G35" at 605,2125 h40
  text "G36" at 765,2125 h40
  text "G0" at 765,2030 h40
  text "G45" at 605,2025 h40
  text "G47" at 605,1930 h40
  text "G48" at 765,1930 h40
  text "G21" at 490,1820 h40
  text "G14" at 315,1810 h40
  text "G12" at 315,1720 h40
  text "G13" at 495,1720 h40
  text "G11" at 315,1625 h40
  text "G10" at 495,1625 h40
  text "G3" at 495,1530 h40
  text "G9" at 315,1525 h40
  text "G17" at 495,1435 h40
  text "G18" at 315,1430 h40
  text "G16" at 315,1330 h40
  text "G15" at 495,1330 h40
  text "G5" at 495,1230 h40
  text "G4" at 315,1225 h40
  text "G6" at 315,1125 h40
  text "G7" at 495,1125 h40
  text "G8" at 315,1025 h40
  text "3.3V" at 495,1025 h40
  text "GND" at 315,925 h40
  text "5V" at 495,920 h40

## Text inside footprints (layer, text, board x,y; h text height)
J1: Top Overlay "15" at 3530.31,275.32 h39.37 r270; Top Overlay "5" at 3325.31,270.32 h39.37 r270; Top Overlay "11" at 3530.31,765.32 h39.37 r270; Top Overlay "1" at 3325.31,735.32 h39.37 r270
LS1: Top Overlay "+" at 1499.5,52.5 h30 r90
OLED1: Mechanical 30 "30" at 1292.98,1264.86 h27.2 r90.02; Mechanical 30 "20" at 1010.98,1264.86 h27.2 r90.02; Mechanical 30 "10" at 737.28,1264.86 h27.2 r90.02; Mechanical 30 "1" at 489.25,1268.86 h27.2 r90.02